# Allegro board IMX7D EVK BOARD REV D_160314.brd (continued)
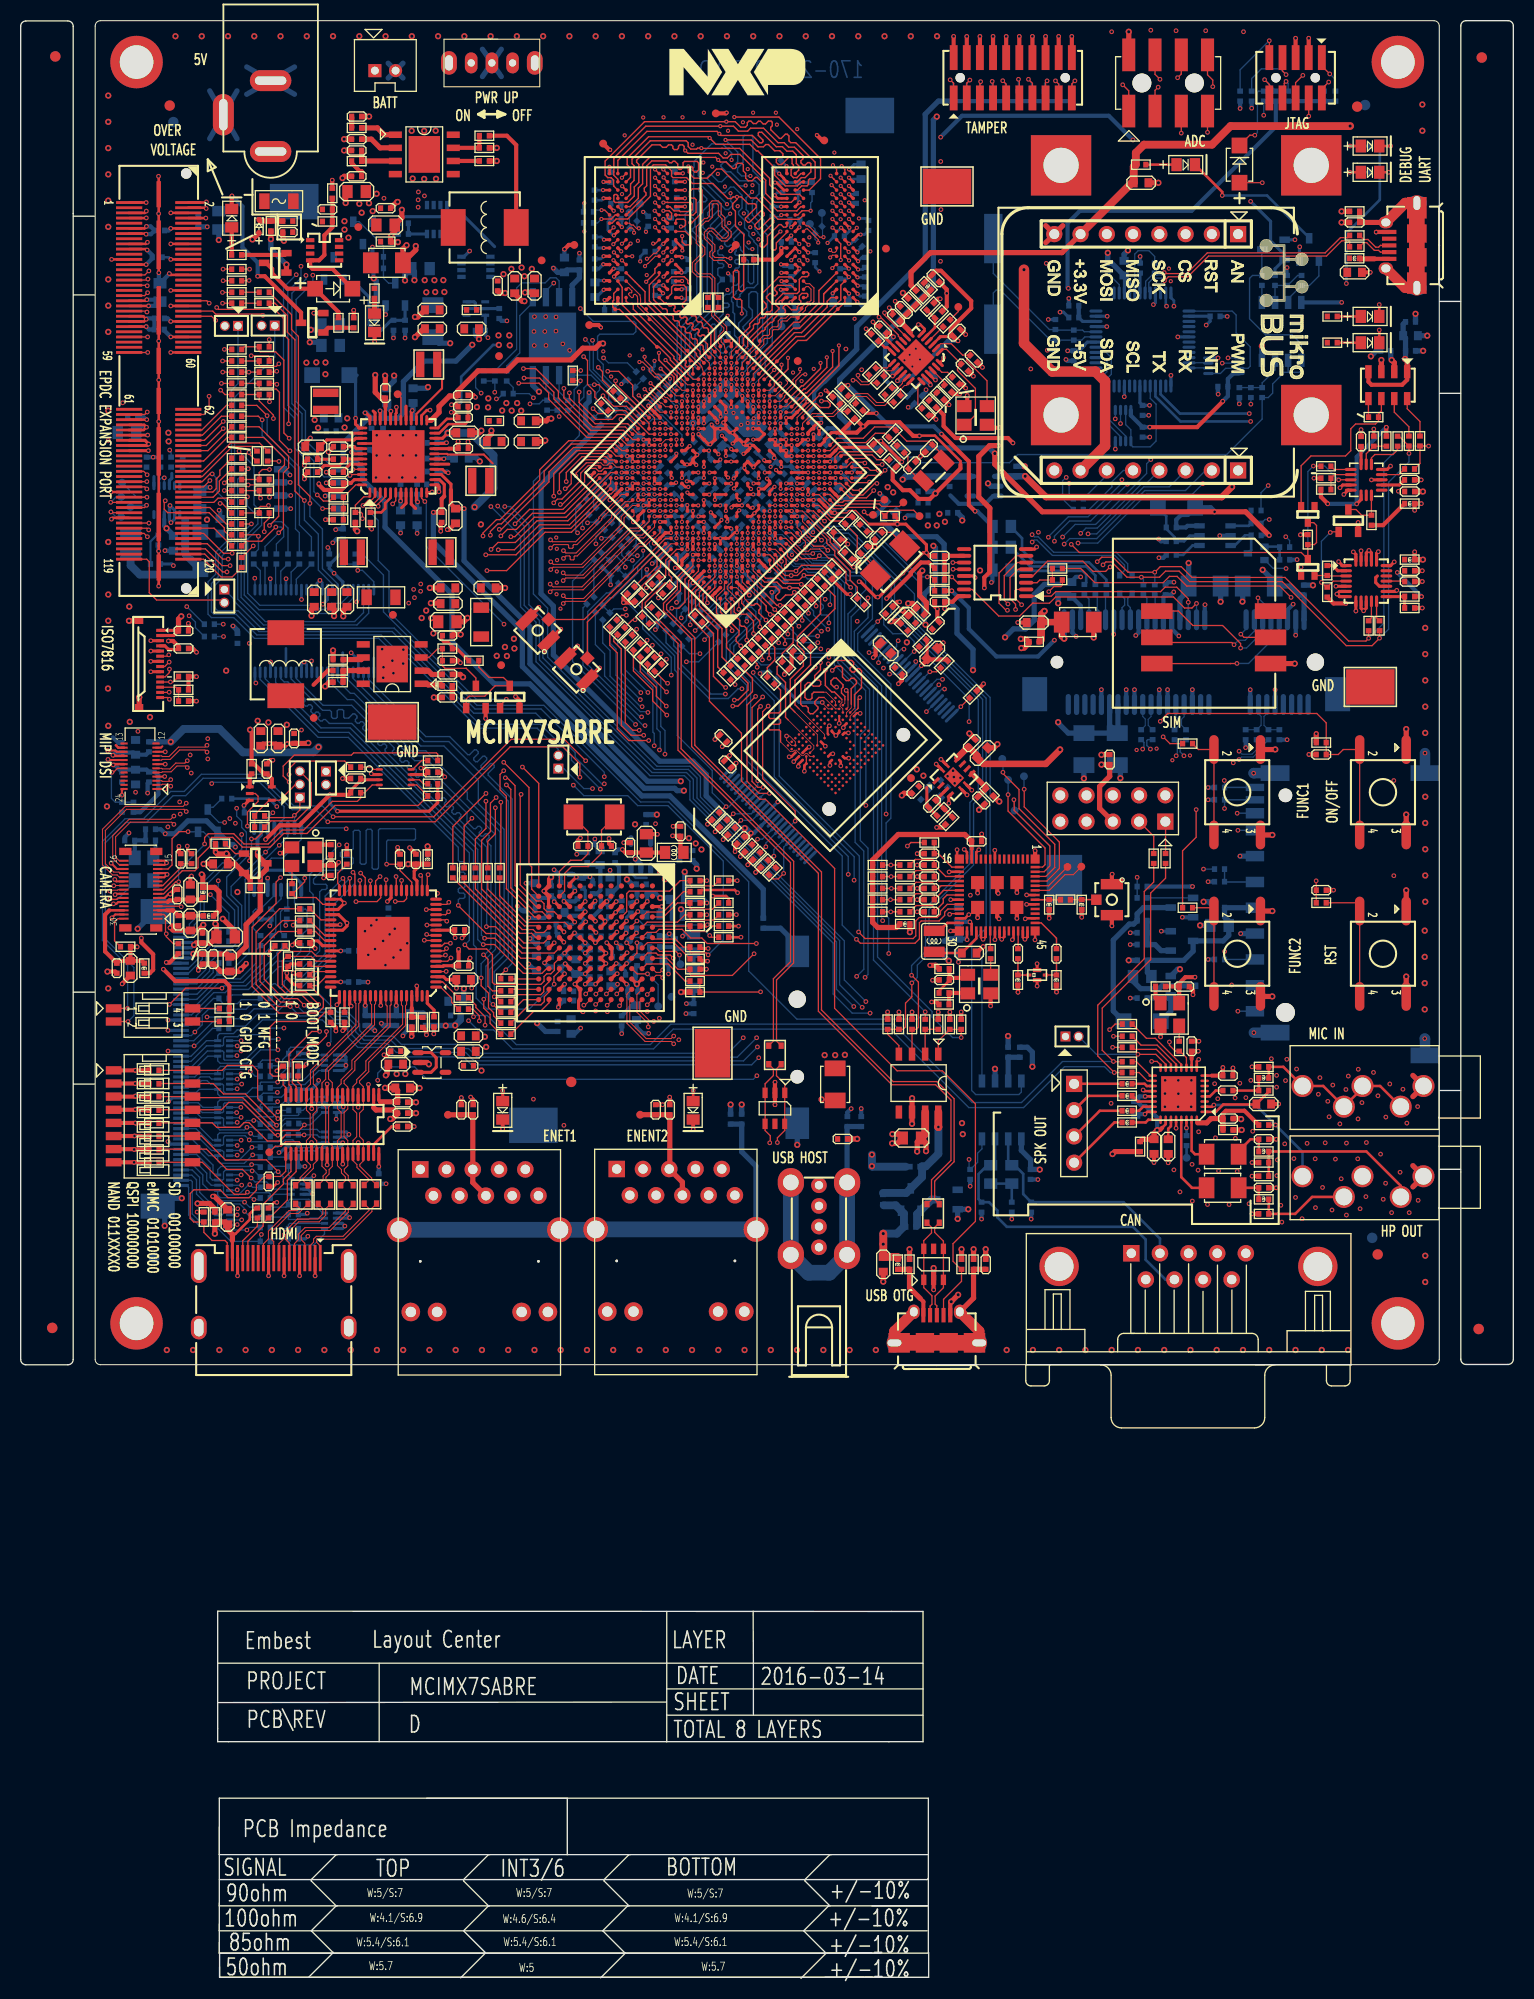
[diagram p0: board, top side]
## Routing (per net, layer and track width the routed paths; a pad name or vN(x,y) marks a point on that pad's centre or on a via; arc(x,y) is an arc through that point) (continued)
GND_EARTH: length 46.3
  BOTTOM w0.508: J28.16 71.12,78.57 69.74,79.95 R258.1 C353.1
  BOTTOM w1.524: J27.15 J27.16 55.58,72.4 J28.15 J28.16
PVCC_ENET_CAP: length 1.5
  TOP w0.254: v3(64.49,143.71) 64.67,143.53 U7.H14
  BOTTOM w0.254: C115.1 64.93,143.27 v3(64.49,143.71)
PVCC_GPIO_CAP: length 1.6
  TOP w0.305: U7.V10 72.04,146.71 v3(71.92,146.84)
  BOTTOM w0.305: C100.1 71.2,147.56 v3(71.92,146.84)
PVCC_I2C_SPI_UART_CAP: length 2.1
  TOP w0.102: U7.R9 71.38,144.59 70.89,144.59
  TOP w0.254: v3(70.89,144.59) 70.89,144.59 U7.R9
  BOTTOM w0.254: v3(70.89,144.59) 70.46,145.01 C128.1
PVCC_SAI_SD_CAP: length 1.4
  TOP w0.254: U7.J9 68.36,141.25 68.36,140.94 v3(68.34,140.91)
  BOTTOM w0.254: v3(68.34,140.91) 68.68,141.25 C111.1
VCCI_EMMC: length 6.6
  TOP w0.081: v1(77.53,123.41) 77.58,123.37 77.58,123.32 78.11,122.79 U10.C2
  BOTTOM w0.305: v1(77.53,123.41) 75.3,123.41 C191.1
VDD_1P2_CAP: length 2.3
  TOP w0.254: v3(66.07,142.99) 66.08,142.97 U7.H12 ; v3(71.97,145.65) U7.U9
  BOTTOM w0.254: v3(66.07,142.99) 66.09,143 66.19,143 C88.1 ; C89.1 71.97,145.9 v3(71.97,145.65)
VDD_ARM_IN: length 49.6
  TOP w0.102: U7.D17 60.78,143
  TOP w0.127: U4.6 36.28,142.91 v1(35.98,142.61)
  TOP w0.254: v3(60.25,148.83) U7.J23 60.78,148.3 v3(60.78,148.3) U7.J22 ; U7.D20 v3(59.19,144.59) 59.19,144.06 U7.C20 58.66,144.06 v3(58.66,144.06) ; v3(58.66,147.24) U7.F23 59.19,146.71 v3(59.19,146.71) U7.F22 ; v3(60.25,142.47) U7.C17 60.78,142.47 v3(60.78,143) 60.78,143 U7.D17
  L5_PWR_2 w0.127: 61.05,150.46 57.62,153.89 56.2,153.89 52.59,150.29 51.42,150.29 45.99,144.85 39.69,144.85 37.17,142.33 36.26,142.33 v1(35.98,142.61)
  BOTTOM w0.305: v3(59.19,144.59) 58.66,144.06 v3(58.66,144.06) ; v3(60.78,143) v3(60.25,142.47)
  BOTTOM w0.356: v3(60.25,142.47) 59.83,142.04 C71.1
  BOTTOM w0.406: v3(59.19,146.71) v3(58.66,147.24) 58.08,147.82 ; C73.1 58.08,147.82 ; 58.08,147.82 58.27,147.82 C64.1 59.76,149.31 C63.1 60.25,148.84 v3(60.25,148.83) v3(60.78,148.3) ; C65.1 58.14,143.45 C72.1 58.66,143.76 v3(58.66,144.06)
  vias: v1(37.53,133.03) v1(38,134.35) v1(38.09,133.55) v1(38.7,134.87) v1(38.68,134.17)
VDD_LPSR_1P0_CAP: length 1.4
  TOP w0.305: v3(78.28,146.71) 78.28,146.71 U7.AC5
  BOTTOM w0.305: v3(78.28,146.71) 78.55,146.98 C97.1
VDD_LPSR_IN: length 3.2
  TOP w0.254: v3(75.63,145.12) 75.63,145.12 U7.W6
  BOTTOM w0.406: v1(83.09,143.63) 83.09,143.6 83.64,143.06 C96.1 83.64,142.48 R32.2
VDD_OTG1_1P0_CAP: length 2.2
  TOP w0.254: U7.H10 v3(66.75,141.8)
  BOTTOM w0.305: C120.1 67.48,140.45 C119.1 66.75,141.18 v3(66.75,141.8)
VDD_OTG2_1P0_CAP: length 2.1
  TOP w0.254: U7.J11 v3(67.65,142.47)
  BOTTOM w0.305: v3(67.65,142.47) 67.69,142.51 68.15,142.51 C125.1 68.3,142.68 C126.1
VDD_SD1: length 17
  BOTTOM w0.508: R103.2 108.98,97.29 R102.1 112.5,98.46 113.4,99.36 Q6.3 116.31,100.35 116.85,100.88 C195.1 116.85,102.26 116.44,102.67 C196.1 116.45,103.55 J6.4
VDD_SNVS_1P8_CAP: length 50.8
  TOP w0.305: v3(77.23,149.93) 77.23,149.37 U7.AE8
  BOTTOM w0.305: C95.1 77.13,149.93 v3(77.23,149.93)
  BOTTOM w0.406: 77.74,154.45 76.74,153.46 76.74,151.99 76.24,151.48 76.24,150.82 C95.1 ; R241.1 R242.1 R239.1 R236.1 R232.1 R234.1 R230.1 R228.1 R226.1 R225.1
  BOTTOM w0.508: 77.74,154.45 80.86,157.57 80.86,159.76 87.49,166.39 87.49,180.31 88.76,181.58 R225.1
VDD_SOC_IN: length 69.4
  TOP w0.127: U4.11 38.78,143.16 v1(39.09,142.85)
  TOP w0.305: v3(68.87,148.46) 69.25,148.83 U7.U15 ; U7.U17 68.6,149.5 v3(68.86,149.5) ; U7.U17 68.2,150.24 v3(67.96,150.48) 68.2,150.72 U7.V18 ; U7.U17 68.2,149.89 68.19,149.89 v3(67.67,149.89) 67.14,149.89 U7.T18 ; v3(75.1,141.41) 75.1,141.41 74.57,141.41 U7.R3 ; U7.T18 U7.R17 66.81,148.5 66.81,148.5 v3(66.7,148.38) 66.53,148.38 U7.P18 65.59,149.32 65.59,149.34 v3(65.56,149.37) ; U7.T18 66.83,150.2 66.83,150.28 v3(66.83,150.29) ; U7.F18 v3(61.31,144.59) 61.31,144.59 U7.F19 ; v3(70.52,148.27) 70.88,148.27 U7.V12 ; v3(70.52,148.27) 70.52,147.97 U7.U13 70.32,147.77 70.01,147.47 v3(69.91,147.47) ; v3(70.52,148.27) 70.09,148.27 v3(69.92,148.43) ; U7.U15 69.26,149.1 v3(68.86,149.5) ; U7.U15 69.53,148.83 v3(69.92,148.43) ; U7.J4 70.85,138.22 v3(70.85,138.22) ; v3(69.92,148.43) 70.32,148.83 U7.V14 ; U7.F4 v3(69.26,136.63) ; v3(71.38,137.69) 71.38,138.23 U7.J3 ; U7.D14 v3(62.37,141.41) ; U7.F3 v3(69.79,136.1) ; U7.V16 69.26,149.89 68.86,149.5 v3(68.86,149.5) ; U7.M3 v3(72.98,139.28) ; U7.C14 v3(61.84,140.88) ; U7.M4 v3(72.44,139.81) ; v3(74.57,141.94) 74.57,141.94 U7.R4
  L5_PWR_2 w0.102: 66.95,134.83 68.72,136.59 69.23,136.59
  L5_PWR_2 w0.127: 66.95,134.83 64.53,132.4 64.02,132.4 62.6,130.98 v1(46.75,130.98) ; v3(69.26,136.63) 69.23,136.59
  BOTTOM w0.127: v1(39.09,142.85) 39.23,142.71 39.23,138.5 v1(46.75,130.98)
  BOTTOM w0.305: C82.1 73.38,138.88 v3(72.98,139.28) v3(72.45,139.81) ; v3(70.85,138.22) v3(71.38,137.69) 71.72,137.69 C69.1 ; C68.1 70.48,135.41 v3(69.79,136.1) v3(69.26,136.63) ; v3(62.37,141.41) 62.59,141.18 C70.1 62.48,140.88 v3(61.84,140.88) ; C79.1 75.75,141.41 v3(75.1,141.41) v3(74.57,141.94) ; 61.79,145.07 C84.1 61.79,145.07 ; 61.79,145.07 v3(61.31,144.59)
  vias: v2(46.05,127.92) v2(46.84,128.78) v2(47.03,127.9) v2(47.71,129.57) v2(47.75,128.63)
VDD_SPK: length 9.7
  TOP w0.254: U24.21 108.77,85.31 v1(108.76,85.3) ; 110.4,82.26 110.75,82.62 U24.26
  TOP w0.406: 110.4,82.26 110.22,82.09 109.97,82.09 v2(109.92,82.04)
  TOP w0.508: R311.2 108.5,81.16 109.62,81.16 C270.1 109.62,81.74 v2(109.92,82.04)
  BOTTOM w0.406: v1(108.76,85.3) 108.2,85.3 C269.1 108.43,84.37 108.81,84.37 109.92,83.26 v2(109.92,82.04)
VDD_WLAN: length 6.8
  TOP w0.254: v1(91.53,100.46) 91.53,100.47 U16.31 ; U16.32 91.98,102 v1(91.8,102.18)
  BOTTOM w0.406: v1(91.53,100.46) 91.44,100.56 C232.1 ; v1(91.8,102.18) 91.78,102.2 C233.1
  BOTTOM w0.508: C233.1 C232.1 89.64,100.56 L14.2
VDD_WLCK36: length 4.7
  TOP w0.254: C237.1 89.81,96.5 88.82,95.51 R148.1
  TOP w0.406: X1.4 91.31,96.77 90.01,96.77 C237.1 R329.1
VDDA_1P0_CAP: length 2.3
  TOP w0.305: v3(76.69,143) 76.69,143 U7.V3
  BOTTOM w0.305: C86.1 76.76,143.07 v3(76.69,143) 76.69,142.7 C87.1
VDDA_1P8: length 4.9
  TOP w0.254: U7.V5 75.63,144.06 v3(75.63,144.06) ; U7.V6 v3(74.04,144.59) ; U7.W5 v3(75.1,144.59)
  BOTTOM w0.254: v3(75.1,144.59) 74.7,144.99 C91.1 74.44,144.99 v3(74.04,144.59)
  BOTTOM w0.305: v3(75.1,144.59) 76.03,144.59 C107.1 76.13,144.56 v3(75.63,144.06)
  vias: v2(83.86,144.24) v2(84.39,143.73)
VDDA_ADC_1P8: length 11.1
  TOP w0.305: U7.AC4 78.81,146.18 v3(78.81,146.18) ; v3(78.81,145.12) 78.81,145.12 U7.AB3 ; v3(79.34,145.65) 79.34,145.65 U7.AC3
  BOTTOM w0.305: v3(78.81,145.12) 78.81,144.55 C362.1 ; C130.1 79.54,146.18 v3(78.81,146.18) ; C131.1 79.89,145.09 v3(79.34,145.65)
  BOTTOM w0.635: v2(85.3,144.98) 85.59,145.26 L8.2 91.84,145.26 U33.5
VDDA_PHY_1P8: length 5.1
  TOP w0.305: v3(74.57,147.24) 74.57,147.24 U7.Y9 74.04,147.77 v3(74.04,147.77) 74.04,147.77 U7.Y10 73.51,148.3 v3(73.51,148.3) 73.51,148.3 U7.Y11 72.98,148.83 v3(72.98,148.83) 72.98,148.83 U7.Y12 ; U7.J13 66.59,143.53 v3(66.6,143.52)
  BOTTOM w0.254: C67.1 67.2,144.11 v3(66.6,143.52)
VDDD_1P0_CAP: length 8.5
  TOP w0.254: U7.J17 63.96,145.13 v3(63.96,145.13) ; U7.J15 64.8,144.81 v3(64.43,144.81) ; U7.AA12 72.98,149.88 v3(72.96,149.9) ; U7.AA9 74.57,148.3 v3(74.57,148.3) 74.57,148.3 U7.AA10 74.04,148.83 v3(74.04,148.83) 74.04,148.83 U7.AA11
  BOTTOM w0.254: v3(74.57,148.3) 75.03,147.84 C76.1 ; v3(63.96,145.13) 64.37,145.54 C77.1 64.62,144.99 v3(64.43,144.81) ; v3(74.04,148.83) 74.04,148.96 C74.1 73.1,149.9 v3(72.96,149.9)
  BOTTOM w0.305: C75.1 72.56,149.49 v3(72.96,149.9)
32K768_OUT: length 1.6
  TOP w0.127: R492.2 93.82,97.07 X1.3
ACC_I2C_SCL: length 2.4
  TOP w0.127: R501.2 133.3,145.45 U21.4
ACC_I2C_SDA: length 3.8
  TOP w0.127: R502.2 133.18,147.84 132.73,147.39 130.97,147.39 130.64,147.06 U21.6
ACC_INT_B: length 16
  TOP w0.127: D14.1 123.84,136.47 123.84,136.47 v1(123.84,136.5) ; v1(127.47,144.94) 127.48,144.95 U21.11 ; v1(125.04,146.28) 125.06,146.26 R303.2
  BOTTOM w0.127: v1(127.47,144.94) 126.13,146.28 v1(125.04,146.28) 124.5,145.74 124.5,137.16 v1(123.84,136.5)
ACCL_3V3: length 23.6
  TOP w0.305: v1(129.22,142.61) 129.64,143.04 U21.14
  TOP w0.406: R363.2 125.76,143.29 126.37,142.68 126.37,142.67 v1(126.42,142.62) ; L21.2 131.77,140.55 R386.1 ; R362.2 132.09,150.02 v1(132.08,150.03)
  L3_INT_1 w0.305: v1(129.22,142.61) 130.45,143.84 v1(133.25,143.84)
  BOTTOM w0.406: v1(126.42,142.62) 126.43,142.61 v1(129.22,142.61) 129.22,147.17 v1(132.08,150.03)
ADC1_IN1: length 61.7
  TOP w0.127: 81.57,146.65 80.35,146.65 79.88,146.18 U7.AD3 ; 81.57,146.65 81.65,146.57 ; 81.57,146.65 81.59,146.65 81.65,146.58 81.65,146.57 ; v1(110.2,183.69) 109.71,184.17 J22.4 ; 81.65,146.57 v1(81.65,146.57)
  L3_INT_1 w0.127: v1(110.2,183.69) 109.1,184.78 106.27,184.78 103.04,181.55 96.7,181.55 93.84,178.69 93.84,162.35 88.68,157.19 88.68,155.47 85.03,151.81 85.03,151.19 81.67,147.83 81.67,146.59 81.65,146.58 v1(81.65,146.57)
ADC1_IN2: length 61.6
  TOP w0.127: U7.AE2 80.46,146.12 81.92,146.12 82.18,145.86 82.93,145.86 v1(82.94,145.87) ; J22.6 112.25,184.19 v1(111.9,183.84)
  L3_INT_1 w0.127: v1(111.9,183.84) 108.37,180.31 97.24,180.31 95.11,178.19 95.11,160.83 89.88,155.59 89.88,154.22 84.72,149.07 84.72,148.48 82.84,146.6 82.84,145.97 v1(82.94,145.87)
ADC1_IN3: length 65.6
  TOP w0.127: J22.8 114.79,184.12 115.3,183.61 v1(115.3,182.97) ; U7.AE3 79.87,146.76 80.13,147.01 82.05,147.01 82.66,146.41 83.3,146.41 v1(83.32,146.42)
  L3_INT_1 w0.127: v1(83.32,146.42) 85.29,148.39 85.29,149.03 90.31,154.04 90.31,155.44 95.52,160.64 95.52,178.04 97.33,179.85 112.18,179.85 v1(115.3,182.97)
ADC2_IN0: length 58.6
  TOP w0.127: J22.1 107.17,182.57 v1(106.59,183.15) ; v1(81.27,143.94) 80.52,143.94 U7.AC1
  L3_INT_1 w0.127: v1(81.27,143.94) 81.27,144.67 82.12,145.52 82.12,146.93 83.89,148.7 83.89,149.33 89.06,154.5 89.06,155.95 94.27,161.15 94.27,178.49 96.91,181.13 104.57,181.13 v1(106.59,183.15)
ADC2_IN1: length 61.5
  TOP w0.127: v1(82.1,144.72) 82.05,144.67 80.32,144.67 79.87,145.12 U7.AC2 ; v1(110.02,182.92) 109.71,182.62 J22.3
  L3_INT_1 w0.127: v1(82.1,144.72) 82.47,145.09 82.47,146.75 84.31,148.59 84.31,149.19 89.5,154.37 89.5,155.85 94.72,161.07 94.72,178.38 97.08,180.74 107.84,180.74 v1(110.02,182.92)
ADC2_IN2: length 63.4
  TOP w0.127: J22.5 v1(112.25,178.48) ; v1(82.51,143.91) 81.8,143.2 80.2,143.2 79.34,144.06 U7.AB1
  L3_INT_1 w0.127: v1(82.51,143.91) 82.71,144.11 82.97,144.11 84.39,145.54 86.37,145.54 93.59,152.75 93.59,155.67 96.35,158.44 96.35,177.66 97.62,178.92 111.81,178.92 v1(112.25,178.48)
ADC2_IN3: length 65.6
  TOP w0.127: J22.7 v1(114.79,178.56) ; U7.AB2 79.34,144.59 80.45,143.48 81.47,143.48 82.59,144.6 v1(82.82,144.6)
  L3_INT_1 w0.127: v1(82.82,144.6) 82.94,144.6 84.25,145.9 84.25,146.74 85.94,148.43 85.94,149.09 90.66,153.82 90.66,155.19 95.95,160.47 95.95,177.87 97.45,179.37 113.97,179.37 v1(114.79,178.56)
ALT_I2C_SCL: length 4.1
  TOP w0.127: R505.2 135.34,150.58 134.11,151.82 U22.8
ALT_I2C_SDA: length 4.2
  TOP w0.127: U22.7 132.86,151.49 134.27,150.08 R503.2
ALT_INT_B: length 16.7
  TOP w0.127: D24.2 123.85,146.3 124.8,147.25 128.14,147.25 128.65,147.76 128.65,149.88 129.11,150.34 131.04,150.34 131.33,150.64 R302.2 131.33,151.34 131.61,151.61 U22.6
ALTI_3V3: length 10.9
  TOP w0.406: U22.1 134.11,154.62 133.62,154.14 130.65,154.14 130.36,154.43 U22.4
  TOP w0.508: U22.1 134.11,156.42 v2(133.89,156.64)
  BOTTOM w0.508: L22.2 133.72,160 C252.1 133.95,158.66 C251.1 133.95,156.69 v2(133.89,156.64)
ANT_OUT: length 4.9
  TOP w0.127: R560.1 100.57,104.33 98.12,104.33 U16.51
  TOP w0.145: L56.2 R560.1 ; U16.51 99.48,104.33
AUD_3V3: length 8.7
  TOP w0.254: 113.85,82.75 113.75,82.84 U24.32
  TOP w0.406: C271.1 116.28,83.63 116.57,83.91 118.37,83.91 R366.2
  TOP w0.508: 113.85,82.75 114.71,82.75 115.13,83.16 C271.1 116.28,82.36 116.28,82.07 R312.2
AUD_I2C_SCL: length 2.5
  TOP w0.127: U24.17 109.27,87.31 107.92,88.66 107.5,88.66
AUD_I2C_SDA: length 2.3
  TOP w0.127: U24.18 108.97,86.81 108.17,87.62 R520.2
AUDIO_MCLK: length 78.3
  TOP w0.127: v1(111.11,90.57) 111.11,90.24 111.67,89.68 R478.2 112.13,89.68 112.75,89.06 U24.11
  L3_INT_1 w0.127: v1(62.93,126.05) 63.49,125.49 63.49,121.51 87.49,97.5 89.27,97.5 93.66,93.11 106.67,93.11 109.21,90.57 v1(111.11,90.57)
  BOTTOM w0.127: v1(62.93,126.05) 62.93,127.78 60.16,130.55 60.16,131.56 58.79,132.94 58.79,133.9 R110.2
AUDIO_RXD: length 90.4
  TOP w0.127: U24.16 110.25,88.36 109.92,88.69 v1(109.38,88.69)
  L3_INT_1 w0.127: v1(59.47,121.28) 59.47,124.53 59.93,124.99 61.25,124.99 63.11,123.13 63.11,121.41 87.36,97.15 88.96,97.15 93.38,92.73 106.06,92.73 109.38,89.4 v1(109.38,88.69)
  BOTTOM w0.127: v1(59.47,121.28) 53.38,127.37 53.38,135.15 R485.2
AUDIO_TXC: length 6.7
  TOP w0.127: U24.12 112.25,88.41 109.74,90.93 108.88,90.93 107.5,92.3
AUDIO_TXD: length 4.8
  TOP w0.127: U24.14 111.25,88.45 109.84,89.86 107.7,89.86 107.5,90.05
AUDIO_TXFS: length 5.7
  TOP w0.127: U24.13 111.75,88.43 109.92,90.26 108.36,90.26 107.5,91.12
BAT_IN: length 4
  L5_PWR_2 w0.508: 34.26,183.22 J2.1 ; J2.1 33.32,183.58 ; J2.1 33.32,185.46
  vias: v1(38.44,172.03) v1(38.44,171.32) v1(38.47,172.79) v1(39.05,172.41)
BI2C2_SCL: length 12.1
  TOP w0.127: J9.15 21.98,71.29 23.46,72.76 23.46,73.03 R145.2 24.05,73.54 25.79,75.28 25.79,77.18 26.64,78.03 U15.22
BI2C2_SDA: length 12.1
  TOP w0.127: U15.21 26.14,78.04 25.41,77.31 25.41,76.83 23.43,74.85 23.43,73.98 22.98,73.54 R144.2 22.89,72.76 21.48,71.34 J9.16
BOOT_MODE0: length 117.4
  TOP w0.102: U7.P4 73.51,141.93 v3(73.51,141.94)
  TOP w0.127: v1(54.09,116.17) 54.09,117.47 52.44,119.12 47.34,119.12 40.09,111.87 v1(29.7,111.87) ; SW3.2 v1(10.38,92.55)
  L3_INT_1 w0.102: v3(73.51,141.94) 72.96,141.94 72.28,142.62 70.6,142.62 70.32,142.33 70.32,142.16 69.68,141.52 67.47,141.52 67.29,141.34 66.03,141.34 65.7,141.01 65.11,141.01 64.88,141.24 63.29,141.24 62.15,140.09 59.8,140.09
  L3_INT_1 w0.127: 59.8,140.09 57.51,137.81 57.51,134.54 56.72,133.75 56.72,128.33 55.29,126.9 55.29,121.9 54.09,120.69 v1(54.09,116.17)
  BOTTOM w0.127: v1(29.7,111.87) 28.54,113.03 26.27,113.03 23.22,116.08 17.64,116.08 15.96,114.39 14.74,114.39 12.15,111.8 10.15,111.8 8.19,109.85 8.19,100.53 10.95,97.77 10.95,93.11 v1(10.38,92.55)
BOOT_MODE1: length 112.9
  TOP w0.102: v3(72.98,141.41) U7.P5
  TOP w0.127: v1(54.65,117.77) 52.56,119.86 47.46,119.86 39.95,112.35 v1(30.22,112.35) ; SW3.1 v1(10.34,93.82)
  L3_INT_1 w0.102: v3(72.98,141.4) 72.45,141.4 72.07,141.78 71.7,141.78 70.83,140.91 68.9,140.91 68.52,140.53 66.51,140.53 66.38,140.4 65.24,140.4 64.91,140.73 64.35,140.73 64.09,140.47 63.84,140.47 63.55,140.76 63.28,140.76 62.31,139.8 60.98,139.8
  L3_INT_1 w0.127: 60.98,139.8 59.93,139.8 57.87,137.74 57.87,134.28 57.07,133.48 57.07,127.21 55.65,125.79 55.65,121.7 54.65,120.69 v1(54.65,117.77)
  BOTTOM w0.127: v1(10.34,93.82) 10.34,97.97 7.91,100.4 7.91,109.98 10.1,112.16 11.87,112.16 14.51,114.8 15.81,114.8 17.47,116.46 23.36,116.46 26.42,113.39 29.18,113.39 v1(30.22,112.35)
BT_CFG0: length 6.8
  BOTTOM w0.127: RN19.8 29.39,71.99 28.33,70.94 26.15,70.94 25.9,71.19 R183.2 24.39,71.53 R196.1
BT_CFG1: length 5.7
  BOTTOM w0.127: RN19.6 26.03,73.02 25.9,72.89 R184.2 24.27,72.5 R195.1
BT_CFG2: length 5.9
  BOTTOM w0.127: R199.1 25.64,73.63 R185.2 25.9,73.4 27.87,73.4 28,73.52 RN19.4
BT_CFG3: length 6.3
  BOTTOM w0.127: RN19.2 29.21,74.02 27.88,75.36 26.05,75.36 25.9,75.2 R186.2 25.64,74.59 R197.1
BT_CFG4: length 14.8
  TOP w0.127: R320.2 13.4,78.93 SW2.9 17.57,78.93 20.66,75.84 21.73,75.84 v1(21.93,76.04)
  BOTTOM w0.127: v1(21.93,76.04) 21.98,75.99 24.01,75.99 24.14,75.86 R204.1 24.5,75.84 RN20.8
BT_CFG5: length 14.6
  TOP w0.127: R319.2 13.41,80.2 SW2.10 17.97,80.2 19.93,78.25 21.45,78.25 v1(22.29,77.41)
  BOTTOM w0.127: RN20.6 24.14,76.34 R203.1 24.14,76.68 23.79,77.03 22.67,77.03 v1(22.29,77.41)
BT_CFG6: length 16
  TOP w0.127: R318.2 13.41,81.47 SW2.11 17.49,81.47 19.8,79.17 23.76,79.17 v1(24.9,78.02)
  BOTTOM w0.127: RN20.4 25.58,76.84 25.39,77.03 25.39,77.54 v1(24.9,78.02) 24.65,78.02 R206.1
BT_CFG7: length 3.3
  BOTTOM w0.127: R205.1 24.22,78.54 R187.2 25.9,77.72 26.28,77.34 RN20.2
BT_CFG8: length 5.8
  BOTTOM w0.127: RN21.8 28.84,80.36 28.51,80.03 26.1,80.03 25.9,79.83 R188.2 25.84,79.43 R208.1
BT_CFG9: length 6
  BOTTOM w0.127: RN21.6 28.84,80.86 28.33,80.36 27.05,80.36 R189.2 26.32,81.1 25.56,81.1 24.87,80.4 R207.1
BT_CFG10: length 18
  TOP w0.127: R317.2 13.41,82.74 SW2.12 18.53,82.74 18.96,82.31 21.14,82.31 21.6,82.77 22.08,82.77 23.86,80.99 25.06,80.99 25.64,81.58 v1(27.42,81.58)
  BOTTOM w0.127: RN21.4 28.88,81.36 28.66,81.58 v1(27.42,81.58) 27.41,81.59 R210.1
BT_CFG11: length 18.8
  TOP w0.127: v1(24.88,81.55) 24.62,81.55 21.45,84.73 20.13,84.73 19.41,84.01 SW2.13 13.41,84.01 R316.2
  BOTTOM w0.127: RN21.2 28.91,81.86 28.66,82.11 25.51,82.11 24.95,81.55 v1(24.88,81.55) 24.25,81.55 R209.1
BT_CFG12: length 18.7
  TOP w0.127: R315.2 13.41,85.28 SW2.14 16.71,85.18 21.47,85.18 24.65,82.01 26.91,82.01 v1(27.44,82.54)
  BOTTOM w0.127: RN22.8 29.21,83.75 28,82.54 v1(27.44,82.54) 27.3,82.68 R211.1
BT_CFG13: length 19.2
  TOP w0.127: v1(24.75,82.52) 21.73,85.54 19.62,85.54 18.61,86.55 SW2.15 13.41,86.55 R314.2
  BOTTOM w0.127: RN22.6 28.85,84.25 28.69,84.09 28.69,83.81 28.05,83.18 25.56,83.18 24.9,82.52 v1(24.75,82.52) 24.25,82.52 R213.1
BT_CFG14: length 20.8
  TOP w0.127: R313.2 SW2.16 19.49,87.82 19.98,88.31 22.41,88.31 22.92,87.8 22.92,85.11 v1(24.88,83.15)
  BOTTOM w0.127: v1(24.88,83.15) 25.18,83.46 26.81,83.46 26.9,83.55 R212.1 27.3,83.95 28.1,84.75 RN22.4
BT_CFG15: length 6.4
  BOTTOM w0.127: R214.1 24.35,84.27 24.98,84.27 25.66,84.95 R190.2 25.93,84.52 26,84.45 27.29,84.45 28.09,85.25 RN22.2
BT_CFG16: length 6.6
  BOTTOM w0.127: R215.1 24.27,85.24 25.22,85.24 R191.2 25.93,86.33 26.05,86.45 27.49,86.45 28.85,87.81 RN23.8
BT_CFG17: length 7
  BOTTOM w0.127: RN23.6 28.79,88.31 27.29,86.8 26.05,86.8 25.93,86.93 R192.2 25.54,86.94 25.54,86.56 25.11,86.13 R217.1
BT_CFG18: length 6.3
  BOTTOM w0.127: R216.1 24.96,87.25 25.93,88.21 R193.2 25.93,88.72 26.1,88.89 28.36,88.89 28.44,88.81 RN23.4
BT_CFG19: length 6.7
  BOTTOM w0.127: RN23.2 28.91,89.31 28.15,90.06 26.12,90.06 25.92,89.85 R194.2 25.34,88.87 25.34,88.59 25.01,88.26 R218.1
BT_REG_ON: length 59.7
  TOP w0.127: U7.J6 v3(69.79,139.28) ; v1(80.83,100.5) 81.22,100.12 86.5,100.12 86.93,100.55 86.93,102.1 87.11,102.28 88.84,102.28 89.37,102.81 89.37,103.12 89.69,103.43 U16.26
  BOTTOM w0.102: 69.51,131.33 69.51,131.66 69.92,132.07 69.92,133.15 70.12,133.35 70.74,133.35 70.97,133.58 70.97,135.66 70.45,136.18 70.22,136.18 69.42,136.99 69.42,137.29 69.63,137.51 69.63,137.84 69.38,138.09 69.38,138.32 69.63,138.58 69.63,139.12 v3(69.79,139.28)
  BOTTOM w0.127: 69.51,131.33 69.51,130.36 68.25,129.1 68.25,127.04 70.22,125.07 70.22,117.8 79.46,108.55 79.46,101.87 v1(80.83,100.5)
BUF_RGMII2_RX_CTL: length 2.8
  BOTTOM w0.127: R345.2 26.16,136.01 U36.32
BUF_RGMII2_RXC: length 3.1
  BOTTOM w0.127: U36.33 26.66,135.34 R346.2
BUF_RGMII2_RXD0: length 2.8
  BOTTOM w0.127: R461.2 23.18,136.17 23.18,134.34 U36.26
BUF_RGMII2_RXD1: length 2.5
  BOTTOM w0.127: U36.27 23.63,134.35 R460.2
BUF_RGMII2_RXD2: length 2.5
  BOTTOM w0.127: R463.2 24.66,136.73 U36.29
BUF_RGMII2_RXD3: length 2.8
  BOTTOM w0.127: R462.2 25.16,136.11 U36.30
BUF_RGMII2_TX_CTL: length 40
  TOP w0.127: R343.1 45.97,94.94 v1(45.81,94.94)
  BOTTOM w0.127: v1(45.81,94.94) 45.81,97.38 47.17,98.74 47.17,113.87 41.41,119.63 39,119.63 33.16,125.47 U36.3
BUF_RGMII2_TXC: length 42.2
  TOP w0.127: R344.1 46.44,97.07 v1(46.93,97.55)
  BOTTOM w0.127: U36.2 33.66,125.63 39.18,120.11 41.49,120.11 43.24,118.36 43.42,118.36 43.89,118.83 44.07,118.83 44.25,118.65 44.25,118.47 43.82,118.04 43.82,117.86 44,117.68 44.18,117.68 44.71,118.21 44.89,118.21 45.07,118.03 45.07,117.85 44.52,117.3 44.52,117.13 44.7,116.95 44.88,116.95 45.44,117.51 45.62,117.51 45.8,117.33 45.8,117.15 45.22,116.56 45.22,116.38 47.54,114.06 47.54,98.17 v1(46.93,97.55)
BUF_RGMII2_TXD0: length 41.1
  TOP w0.127: v1(44.77,99) 45.2,98.57 45.2,95.95 45.64,95.51 R467.1
  BOTTOM w0.127: U36.9 30.16,125.12 31.59,123.68 32.2,123.68 38.11,117.78 38.71,117.78 39.45,117.04 39.45,116.43 43.17,112.71 43.17,111.85 43.82,111.2 44,111.2 44.23,111.43 44.41,111.43 44.59,111.25 44.59,111.07 44.36,110.84 44.36,110.66 44.54,110.48 44.72,110.48 44.94,110.71 45.12,110.71 45.3,110.53 45.3,110.35 45.08,110.12 45.08,109.94 45.48,109.54 45.48,99.64 44.85,99 v1(44.77,99)
BUF_RGMII2_TXD1: length 42.2
  TOP w0.127: R466.1 45.74,93.1 45.74,93.4 45.25,93.9 45.25,95.29 44.54,96.01 v1(44.54,96.77)
  BOTTOM w0.127: v1(44.54,96.77) 44.54,98.15 45.93,99.54 45.93,110.62 40.34,116.21 40.34,116.85 38.93,118.25 38.29,118.25 32.25,124.29 31.89,124.29 30.66,125.53 U36.8
BUF_RGMII2_TXD2: length 42.8
  TOP w0.127: R465.1 45.4,92.37 45.4,93.24 44.79,93.85 v1(44.79,94.71)
  BOTTOM w0.127: v1(44.79,94.71) 44.99,94.91 44.99,97.9 46.36,99.26 46.36,110.9 43.2,114.06 43.2,114.72 39.18,118.74 38.52,118.74 31.66,125.6 U36.6
BUF_RGMII2_TXD3: length 41.3
  TOP w0.127: R464.1 v1(45.68,94.2)
  BOTTOM w0.127: U36.5 32.16,125.73 38.69,119.2 40.93,119.2 44.26,115.87 44.26,113.63 46.76,111.13 46.76,98.99 45.38,97.61 45.38,94.51 v1(45.68,94.2)
BYP_CAP: length 2.4
  TOP w0.305: C249.1 133.36,144.45 U21.2
CAMERA_I2C_SCL: length 27.9
  TOP w0.127: v1(17.79,109.72) 17.79,110.36 18.15,110.71 20.61,110.71 21.6,109.72 23.94,109.72 25.28,111.07 27.37,111.07 30.15,113.84 32.56,113.84 32.89,114.17 R639.1 33.25,114.68 34.01,115.43 U45.4 ; J29.7 13.84,104.9 15,106.06 v1(15.28,106.06)
  BOTTOM w0.127: v1(17.79,109.72) 17.79,109.67 15.28,107.16 v1(15.28,106.06)
CAMERA_I2C_SDA: length 33.6
  TOP w0.127: U45.5 38.31,115.43 R638.1 38.46,113.45 30.41,113.45 27.69,110.74 25.44,110.74 24.12,109.42 21.45,109.42 20.51,110.36 18.48,110.36 18.3,110.18 18.3,109.49 17.16,108.35 17.16,107.44 16.85,107.13 15.63,107.13 13.8,105.3 J29.8
CAMERA_PWDN: length 9.2
  TOP w0.127: J29.13 14.25,107.3 14.64,107.69 14.64,110.23 15.33,110.92 v1(16.19,110.92)
  BOTTOM w0.127: R636.2 17.68,110.9 Q36.2 16.21,110.9 v1(16.19,110.92)
CAN2_RX: length 75
  TOP w0.102: U7.T5 73.51,143 v3(73.51,143)
  BOTTOM w0.102: v3(73.51,143) 74.05,143 75.2,141.85 76.11,141.85 77.08,140.89 77.08,140.66 77.61,140.13 78.31,140.13
  BOTTOM w0.127: 78.31,140.13 80.22,140.13 86.45,133.9 86.45,130.75 93.38,123.82 93.38,101.59 91.98,100.2 91.98,85.87 92.37,85.48 96.55,85.48 96.78,85.72 U25.4
CAN2_TX: length 68.5
  TOP w0.102: U7.T6 74.04,143.53 v3(74.04,143.53)
  BOTTOM w0.102: 77.65,140.46 77.33,140.78 77.33,141.06 76.29,142.11 76,142.11 74.58,143.53 v3(74.04,143.53)
  BOTTOM w0.127: 77.65,140.46 81.47,140.46 86.78,135.15 86.78,130.88 93.76,123.89 93.76,99.61 92.97,98.82 U25.1
CAN_5V: length 3.4
  BOTTOM w0.508: U25.3 95.51,89.09 C279.1 R243.2
CAN_STB: length 177.5
  TOP w0.127: R431.2 24.03,143.28 v1(24.07,143.25)
  L3_INT_1 w0.127: v1(71.21,87.31) 72.19,88.29 75.83,88.29 77.1,87.02 85.47,87.02 89.98,82.51 89.98,80.96 v1(91.73,79.21) ; v1(24.07,143.25) 18.76,137.94 18.76,129.3 18.15,128.7 18.15,122.75 19.01,121.89 19.01,110.49 20.66,108.84 20.66,106.93 19.42,105.68 19.42,104.62 18.71,103.9 17.79,103.9 12.43,98.55 12.43,80.6 17.77,75.26 17.77,73.78 20.97,70.58 25.41,70.58 28.87,74.03 28.87,80.21 32.04,83.38 32.73,83.38 34.53,85.18 v1(34.53,86.86)
  BOTTOM w0.127: v1(91.73,79.21) 91.73,78.35 R244.2 91.86,78.24 92.55,78.93 92.55,79.81 92.97,80.23 U25.8 ; v1(71.21,87.31) 70.86,86.96 39.31,86.96 38.11,88.16 35.14,88.16 34.53,87.55 v1(34.53,86.86)
CANH: length 30.4
  BOTTOM w0.254: U25.7 94.24,79.07 R245.1 93.76,78.59 93.44,78.59 92.65,77.79 92.65,75.37 C282.1 93.66,75.07 94.47,74.26 94.47,73.6 95.39,72.69 107.58,72.69 108.81,71.46 108.81,69.5 110.72,67.59 J19.7
CANL: length 22.5
  BOTTOM w0.254: J19.2 110.19,71.55 106.67,75.07 98.21,75.07 C281.1 96.96,75.86 96.96,77.82 96.14,78.65 R246.1 95.51,78.99 U25.6
CKPWRGD_PD: length 4
  TOP w0.127: U42.22 89.35,154.38 R621.1 R609.2 88.61,153.38 R610.1
CODEC_GPIO_INT: length 9.9
  TOP w0.127: v1(108.06,89.38) 109.79,89.38 110.75,88.41 U24.15
  BOTTOM w0.127: v1(108.06,89.38) 104.05,89.38 J40.2
CSI_AGND: length 10
  TOP w0.127: v1(15.53,103.65) 15.48,103.7 J29.4 ; J29.2 13.87,102.9 14.01,102.76 14.01,101.11 v1(14.08,101.03) 14.08,100.76 14.77,100.07 R629.1
  L6_INT_2 w0.127: v1(14.08,101.03) 13.85,101.26 13.85,101.97 v1(15.53,103.65)
CSI_I2C_SCL: length 1.9
  TOP w0.127: U45.1 34.15,116.93 33.93,117.16 R516.2
CSI_I2C_SDA: length 2
  TOP w0.127: R521.2 38.77,117.79 37.91,116.93 U45.8
CSI_PWDN: length 99.6
  TOP w0.127: U38.6 96.4,136.94 95.13,135.68 95.13,133.29 v1(95.49,132.94)
  L6_INT_2 w0.127: v1(19.72,111.8) 19.72,111.37 22.86,108.23 25.45,108.23 26.41,109.2 32.04,109.2 33.24,110.41 40.55,110.41 41.16,109.8 52.06,109.8 59.32,117.06 67.96,117.06 69.89,118.99 74.89,118.99 75.55,119.65 80.66,119.65 84.85,123.84 89.24,123.84 89.85,124.46 89.85,127.45 95.34,132.94 v1(95.49,132.94)
  BOTTOM w0.127: R637.2 18.62,113.27 18.31,113.27 Q36.3 18.1,112.88 19.18,111.8 v1(19.72,111.8)
CSI_RESET: length 4.4
  TOP w0.127: J29.9 13.75,105.7 15.48,107.44 C456.1 R630.2
CSI_XCLK: length 4.7
  TOP w0.127: v1(8.65,104.44) 8.72,104.36 9.28,104.36 9.42,104.5 J29.25